# Altium PCB Evaluation Board.PcbDoc (part 22 of 22)
Units mm, origin at the board's own origin, x right, y up, seen from the top; angles counter-clockwise.
Board outline 200 x 200 mm, 4 copper layers (Top Layer, GND, Power, Bottom Layer), stack 1.56 mm thick; 639 components, 758 nets, 3043 pads, 1306 vias.
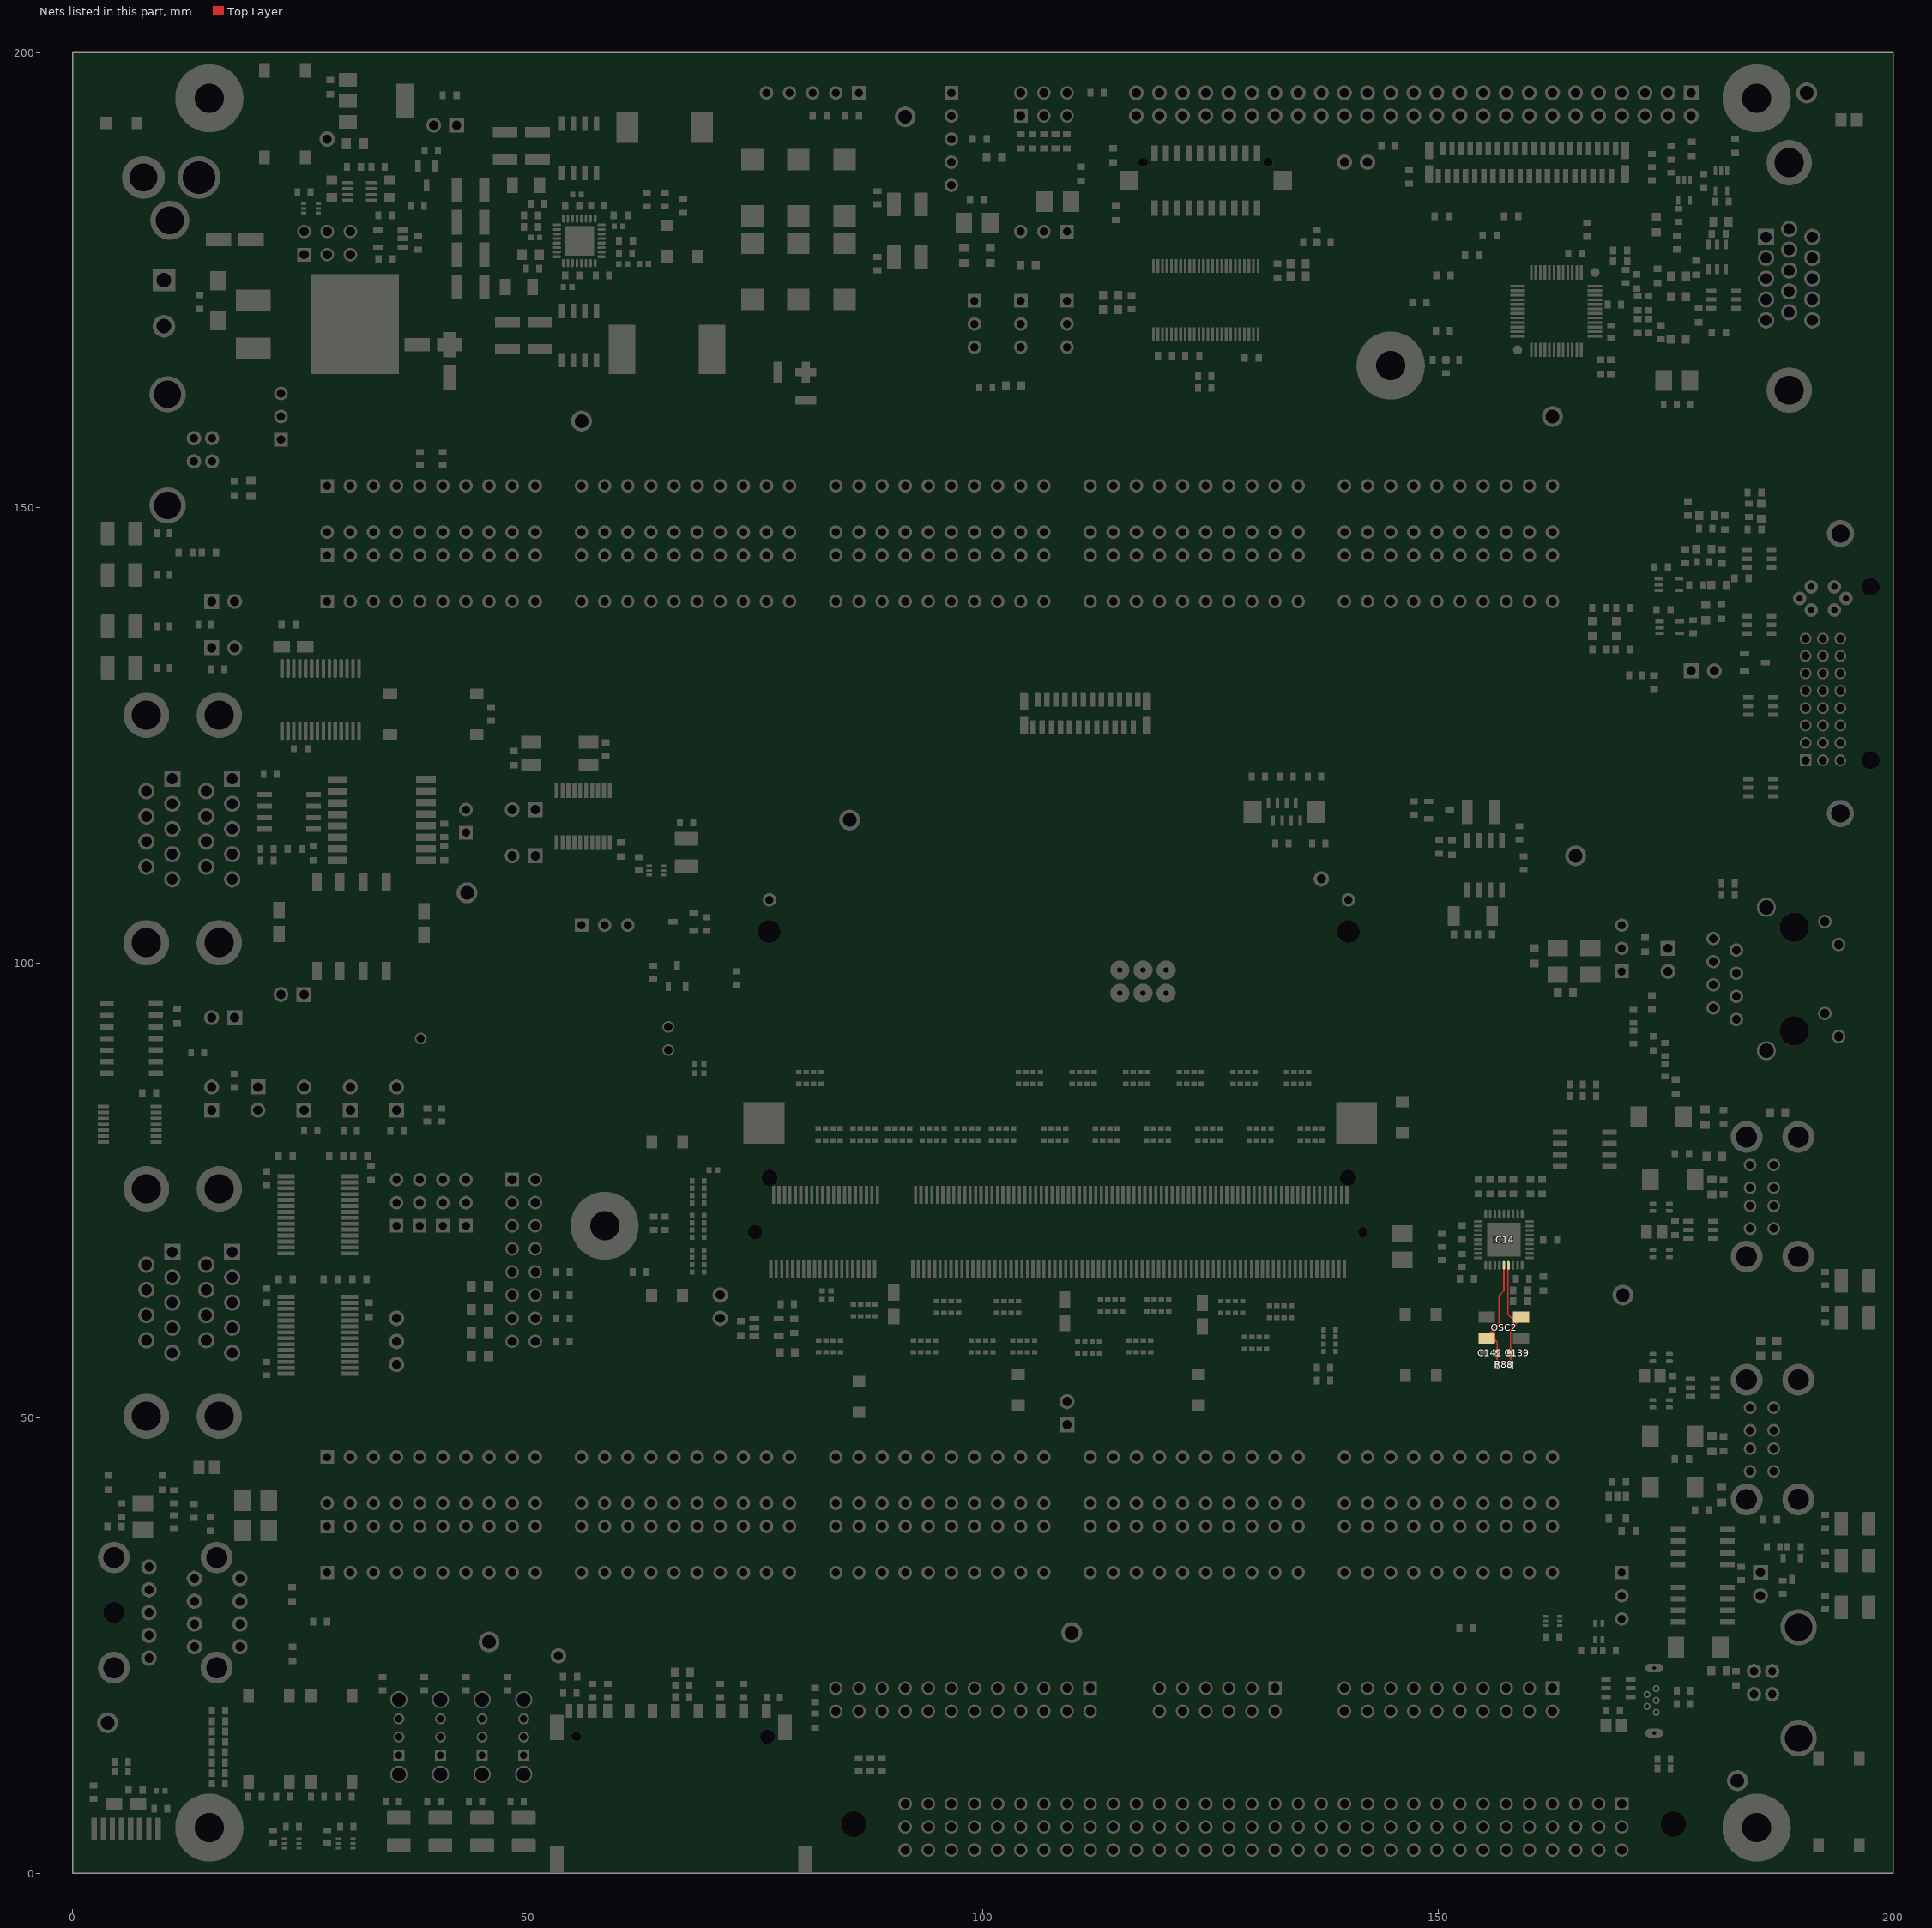
[diagram p24: the nets of this part, all layers, seen from the top]

## Via types
v1: diameter 0.6, hole 0.3, Top Layer to Bottom Layer, 1222 vias
v2: diameter 0.6, hole 0.3, Top Layer to Bottom Layer, tented both sides, 84 vias

## Nets (pads, with @x,y where several pads share a name; then routed paths per layer and width w, separated by ;. In a path a pad name is that pad's centre, name@x,y a point inside that pad or via, vN(x,y) a via of type N, cw(c..) or ccw(c..) an arc to the next point about the centre after c; other vN are vias at no path point) (continued)
XTAL1: C139.2 IC14.33 OSC2.2 R88.2 | length 21.4
  Top Layer w0.15: 157.655,66.09 cw(c158.082,66.09) IC14.33@157.78,66.392 ; C139.2@157.758,56.868 cw(c157.288,56.399) 157.952,56.399 cw(c158.616,56.399) C139.2@158.147,56.868 ; C139.2@157.758,57.407 ccw(c157.288,57.876) 157.952,57.876 ccw(c158.616,57.876) C139.2@158.147,57.407 ; R88.2@157.776,56.144 ccw(c157.349,56.571) 157.952,56.571 ccw(c158.556,56.571) R88.2@158.129,56.144 ; R88.2@157.952,55.868 C139.2@157.952,57.138 157.952,59.731 ; 158.146,59.924 ccw(c157.32,60.75) OSC2.2@158.461,61.001 ; OSC2.2@158.315,60.969 cw(c157.002,60.681) 157.952,59.731 ; OSC2.2@158.322,61.224 cw(c158.04,61.303) 158.04,61.01 ; 158.34,60.118 ccw(c157.638,60.82) OSC2.2@158.608,61.033 ; OSC2.2@158.373,60.818 ccw(c158.04,60.624) 158.04,61.01 ; 158.534,60.312 ccw(c157.956,60.89) OSC2.2@158.754,61.065 ; IC14.33@157.655,66.698 157.655,61.394 158.04,61.01 ; IC14.33@157.655,66.698 IC14.33@157.727,66.77 IC14.33@157.655,66.698 ; 157.952,59.731 159.127,60.906 OSC2.2@159.127,61.082 159.056,61.01 158.04,61.01
XTAL2: C142.2 IC14.32 OSC2.1 R88.1 | length 23.9
  Top Layer w0.15: OSC2.1@155.327,58.782 155.253,58.961 156.693,60.401 ; OSC2.1@155.553,58.773 cw(c156.459,58.877) 155.814,59.522 ; OSC2.1@155.581,58.782 156.052,58.782 156.502,58.331 ; OSC2.1@155.702,58.79 cw(c156.853,58.922) 156.034,59.742 ; OSC2.1@155.765,58.604 cw(c155.995,58.306) 156.261,58.572 ; OSC2.1@155.851,58.807 cw(c157.247,58.968) 156.253,59.962 ; OSC2.1@155.857,58.485 cw(c156.1,58.17) 156.382,58.451 ; OSC2.1@155.948,58.366 cw(c156.205,58.034) 156.502,58.331 ; OSC2.1@156,58.824 cw(c157.641,59.013) 156.473,60.181 ; OSC2.1@156.149,58.842 cw(c158.035,59.058) 156.693,60.401 ; OSC2.1@156.152,58.782 ccw(c156.395,58.782) OSC2.1@156.224,58.61 ; C142.2@156.308,56.868 cw(c155.838,56.399) 156.502,56.399 cw(c157.166,56.399) C142.2@156.697,56.868 ; C142.2@156.308,57.407 ccw(c155.838,57.876) 156.502,57.876 ccw(c157.166,57.876) C142.2@156.697,57.407 ; R88.1@156.326,56.144 ccw(c155.899,56.571) 156.502,56.571 ccw(c157.106,56.571) R88.1@156.679,56.144 ; R88.1@156.502,55.868 C142.2@156.502,57.138 156.502,58.331 ; IC14.32@157.174,66.392 cw(c157.046,66.264) 157.227,66.264 cw(c157.408,66.264) IC14.32@157.28,66.392 ; IC14.32@157.227,66.77 157.227,63.959 156.693,63.424 156.693,60.401
pads on no net: D1.5 D2.2 D3.5 D4.5 D5.5 D6.1 D8.2 D9.2 D11.2 D14.2 D15.1 D15.3 D15.5 D16.3 D16.5 IC1.1 IC2.1 IC3.49 IC3.50 IC4.43 IC6.4 IC9.1 IC9.8 IC10.20 IC10.21 IC11.20 IC11.21 IC12.2 IC12.6 IC12.8 IC12.9 IC12.10 IC12.12 IC12.13 IC12.14 IC12.24 IC12.27 IC12.28 IC13.5 IC13.6 IC17.6 IC17.11 IC17.14 IC18.3 IC18.4 IC18.5 IC18.6 IC18.7 IC18.11 IC18.12 IC18.15 IC19.5 IC20.5 IC20.10 IC20.12 IC20.14 IC24.4 IC25.1 IC26.1 MECH1. OSC2. OSC3. SW1. SW2. SW3. SW4. T3.3 T3.4 T3.5 T8.3 T8.4 T8.5 X1. X2.L2 X2.L3 X2.L6 X2.L7 X2.S1 X2.S2 X2.S3 X2.S4 X2.U1 X2.U4 X2.U5 X2.U8 X3. X5. X5.4 X5.5 X5.12 X5.13 X5.20 X5.21 X6. X6.13 X13.11 X13.17 X13.19 X15. X17. X17.7 X18. X23.5 X24.4 X24.11 X24.12 X24.15 X26. X34. X36.2

## Polygon pours and split planes (outlines as drawn)
VGA_AVCC on Top Layer "1" (solid, remove dead copper, pour order 178): 177.079,160.425 177.079,162.565 175.336,162.565 175.336,160.425
5V on Top Layer "1" (solid, remove dead copper, pour order 177): 179.15,159.075 179.15,162.065 176.975,162.065 176.975,159.075
3.3V on Top Layer "1" (solid, remove dead copper, pour order 176): 173.3,162.075 173.3,159.075 175.5,159.075 175.5,162.075
GND on Top Layer "1" (solid, remove dead copper, pour order 175): 179.866,162.25 179.866,165.6 176.791,165.6 176.791,162.25
GND_ISO on Top Layer "1" (solid, remove dead copper, pour order 174): 20.325,104.377 23.275,104.377 23.275,107.201 20.325,107.201
VGA_AVCC on Top Layer "1" (solid, remove dead copper, pour order 173): 171.549,162.25 176.625,162.25 176.625,178.675 171.549,178.675
3.3V on Top Layer "1" (solid, remove dead copper, pour order 172): 161.325,1.025 161.325,15.014 138.135,15.014 138.135,1.025
NetC66_1 on Top Layer "1" (solid, remove dead copper, pour order 171): 57.331,170.663 57.331,173.925 53.848,173.925 53.848,170.663
GND on Top Layer "1" (solid, remove dead copper, pour order 170): 71.399,176.047 87.528,176.047 87.528,185.09 71.399,185.09
3.3V on Top Layer "1" (solid, remove dead copper, pour order 169): 65.405,185.242 87.528,185.242 87.528,195.834 65.405,195.834
GND on Top Layer "1" (solid, remove dead copper, pour order 168): 17.729,176.276 23.65,176.276 23.65,182.625 17.729,182.625
PWR_IN on Top Layer "1" (solid, remove dead copper, pour order 167): 1.158,164.49 23.317,164.49 23.317,173.975 1.158,173.975
NetD6_2 on Top Layer "1" (solid, remove dead copper, pour order 166): 21.1,161.351 25.4,161.351 25.4,164.325 21.1,164.325
NetD6_2 on Top Layer "1" (solid, remove dead copper, pour order 165): 23.292,161.087 39.751,161.087 39.751,176.708 23.292,176.708
NetJP10_2 on Top Layer "1" (solid, remove dead copper, pour order 164): 43.307,159.309 43.307,166.04 39.446,166.04 39.446,159.309
NetJP10_2 on Top Layer "1" (solid, remove dead copper, pour order 163): 21.1,158.425 40.425,158.425 40.425,161.188 21.1,161.188
5V_PMIC on Top Layer "1" (solid, remove dead copper, pour order 162): 65.45,162.763 78.525,162.763 78.525,172.175 65.45,172.175
NetC66_1 on Top Layer "1" (solid, remove dead copper, pour order 161): 54.178,163.625 62.525,163.625 62.525,170.95 54.178,170.95
NetIC5_23 on Top Layer "1" (solid, remove dead copper, pour order 160): 59.919,170.561 59.919,173.914 56.693,173.914 56.693,170.561
NetIC5_23 on Top Layer "1" (solid, remove dead copper, pour order 159): 49.174,171.298 53.01,171.298 53.01,177.063 49.174,177.063
GND on Top Layer "1" (solid, remove dead copper, pour order 158): 45.669,168.986 53.006,168.986 53.006,171.298 45.669,171.298
GND on Top Layer "1" (solid, remove dead copper, pour order 157): 52.73,189.296 45.394,189.296 45.394,187.096 52.73,187.096
V_SUPPLY_FILT on Top Layer "1" (solid, remove dead copper, pour order 156): 43.303,162.575 55.55,162.575 55.55,168.986 43.303,168.986
GND on Top Layer "1" (solid, remove dead copper, pour order 155): 49.86,168.986 49.86,195.834 43.612,195.834 43.612,168.986
V_SUPPLY_FILT on Top Layer "1" (solid, remove dead copper, pour order 154): 43.612,166.04 43.612,195.834 39.751,195.834 39.751,166.04
V_SUPPLY_FILT on Top Layer "1" (solid, remove dead copper, pour order 153): 58.903,195.834 43.409,195.834 43.409,189.459 58.903,189.459
NetC78_1 on Top Layer "1" (solid, remove dead copper, pour order 152): 58.42,185.525 62.725,185.525 62.725,194.1 58.42,194.1
NetC78_1 on Top Layer "1" (solid, remove dead copper, pour order 151): 58.6,190.5 54.534,190.5 54.534,185.522 58.6,185.522
NetC78_1 on Top Layer "1" (solid, remove dead copper, pour order 150): 53.01,188.138 55.245,188.138 55.245,193.421 53.01,193.421
NetIC5_18 on Top Layer "1" (solid, remove dead copper, pour order 149): 49.987,183.921 54.534,183.921 54.534,188.438 49.987,188.438
3.3V_COLIBRI on Top Layer "1" (solid, remove dead copper, pour order 148): 106.103,54.975 109.946,54.975 109.946,59.375 106.103,59.375
3.3V_COLIBRI on Top Layer "1" (solid, remove dead copper, pour order 147): 110.225,53.025 110.225,56.025 102.55,56.025 102.55,53.025
3.3V_COLIBRI on Top Layer "1" (solid, remove dead copper, pour order 146): 111.283,65.45 106.279,65.45 106.279,61.472 111.283,61.472
3.3V_COLIBRI on Top Layer "1" (solid, remove dead copper, pour order 145): 109.6,61.7 106.25,61.7 106.25,59.1 109.6,59.1
3.3V_COLIBRI on Top Layer "1" (solid, remove dead copper, pour order 144): 91.875,52.825 91.875,58.15 85.1,58.15 85.1,52.825
3.3V_COLIBRI on Top Layer "1" (solid, remove dead copper, pour order 143): 91.875,59.875 88.138,59.875 88.138,57.713 91.875,57.713
3.3V_COLIBRI on Top Layer "1" (solid, remove dead copper, pour order 142): 92.858,60.987 89.35,60.987 89.35,59.225 92.858,59.225
3.3V_COLIBRI on Top Layer "1" (solid, remove dead copper, pour order 141): 92.653,60.987 92.653,64.495 90.945,64.495 90.945,60.987
3.3V_COLIBRI on Top Layer "1" (solid, remove dead copper, pour order 140): 92.653,65.346 88.375,65.346 88.375,62.275 92.653,62.275
3.3V on Top Layer "1" (solid, remove dead copper, pour order 139): 102.55,47.762 110.925,47.762 110.925,53.025 102.55,53.025
3.3V_COLIBRI on Top Layer "1" (solid, remove dead copper, pour order 138): 110.925,50.37 110.925,55.625 106.764,55.625 106.764,50.37
3.3V on Top Layer "1" (solid, remove dead copper, pour order 137): 87.55,49.45 87.55,51.7 82.85,51.7 82.85,49.45
3.3V_COLIBRI on Top Layer "1" (solid, remove dead copper, pour order 136): 68.7,62.075 68.7,64.925 65.45,64.925 65.45,62.075
3.3V on Top Layer "1" (solid, remove dead copper, pour order 135): 61.856,64.925 61.856,62.075 65.106,62.075 65.106,64.925
3.3V on Top Layer "1" (solid, remove dead copper, pour order 134): 61.878,81.75 61.878,78.9 65.128,78.9 65.128,81.75
3.3V_COLIBRI on Top Layer "1" (solid, remove dead copper, pour order 133): 68.722,78.9 68.722,81.75 65.472,81.75 65.472,78.9
3.3V_COLIBRI on Top Layer "1" (solid, remove dead copper, pour order 132): 144.625,79.636 147.475,79.636 147.475,82.886 144.625,82.886
3.3V on Top Layer "1" (solid, remove dead copper, pour order 131): 147.475,86.48 144.625,86.48 144.625,83.23 147.475,83.23
3.3V_COLIBRI on Top Layer "1" (solid, remove dead copper, pour order 130): 144.652,62.843 144.652,59.993 147.902,59.993 147.902,62.843
3.3V on Top Layer "1" (solid, remove dead copper, pour order 129): 151.225,63.347 148.375,63.347 148.375,60.097 151.225,60.097
3.3V on Top Layer "1" (solid, remove dead copper, pour order 128): 151.812,53.252 151.812,56.102 148.562,56.102 148.562,53.252
3.3V_COLIBRI on Top Layer "1" (solid, remove dead copper, pour order 127): 144.675,56.1 144.675,53.25 147.925,53.25 147.925,56.1
3.3V_COLIBRI on Top Layer "1" (solid, remove dead copper, pour order 126): 125.816,61.425 125.816,64.059 123.467,64.059 123.467,61.425
GND on Top Layer "1" (solid, remove dead copper, pour order 125): 125.816,58.825 125.816,61.584 123.467,61.584 123.467,58.825
3.3V on Top Layer "1" (solid, remove dead copper, pour order 124): 126.019,49.9 126.019,52.525 122.55,52.525 122.55,49.9
3.3V_COLIBRI on Top Layer "1" (solid, remove dead copper, pour order 123): 125.921,53.625 125.921,56.439 122.452,56.439 122.452,53.625
GND on Top Layer "1" (solid, remove dead copper, pour order 122): 144.313,65.378 147.787,65.378 147.787,68.75 144.313,68.75
3.3V_COLIBRI on Top Layer "1" (solid, remove dead copper, pour order 121): 147.787,72.29 144.313,72.29 144.313,68.918 147.787,68.918
GND_IN on Top Layer "1" (solid, remove dead copper, pour order 120): 9.575,172.075 17.725,172.075 17.725,189.975 9.575,189.975
GND_IN on Top Layer "1" (solid, remove dead copper, pour order 119): 17.697,177.75 17.697,189.975 4.4,189.975 4.4,177.75
NetR184_1 on Top Layer "1" (solid, remove dead copper, pour order 118): 12.2,172.15 12.2,178.85 1,178.85 1,172.15
NetR184_1 on Top Layer "1" (solid, remove dead copper, pour order 117): 1.158,174.125 5.35,174.125 5.35,193.85 1.158,193.85
GND_IN on Top Layer "1" (solid, remove dead copper, pour order 116): 8.825,193.85 5.35,193.85 5.35,187.275 8.825,187.275
5V on Top Layer "1" (solid, remove dead copper, pour order 115): 71.4,175.9 71.4,162.763 87.525,162.763 87.525,175.9
VGA_AVCC on Bottom Layer "1" (solid, remove dead copper, pour order 114): 178.4,178.675 171.549,178.675 171.549,162.25 178.4,162.25
SHIELD1 on Bottom Layer "1" (solid, remove dead copper, pour order 113): 18.825,19.462 18.825,22.774 1.158,22.774 1.158,19.462
SHIELD1 on Bottom Layer "1" (solid, remove dead copper, pour order 112): 1,20.449 7.816,20.449 7.816,36.895 1,36.895
SHIELD1 on Bottom Layer "1" (solid, remove dead copper, pour order 111): 2.375,37.788 2.375,34.475 18.82,34.475 18.82,37.788
SHIELD1 on Bottom Layer "1" (solid, remove dead copper, pour order 110): 2.8,79.244 2.8,71.219 19.825,71.219 19.825,79.244
SHIELD1 on Bottom Layer "1" (solid, remove dead copper, pour order 109): 2.8,54.25 2.8,43.5 19.825,43.5 19.825,54.25
SHIELD1 on Bottom Layer "1" (solid, remove dead copper, pour order 108): 1.158,148.85 1.158,33.275 6.575,33.275 6.575,148.85
SHIELD1 on Bottom Layer "1" (solid, remove dead copper, pour order 107): 1.158,165.7 1.158,147.3 18.858,147.3 18.858,165.7
SHIELD2 on Bottom Layer "1" (solid, remove dead copper, pour order 106): 198.55,11.825 198.55,17.48 186.775,17.48 186.775,11.825
SHIELD2 on Bottom Layer "1" (solid, remove dead copper, pour order 105): 198.55,24.03 198.55,29.68 186.775,29.68 186.775,24.03
SHIELD2 on Bottom Layer "1" (solid, remove dead copper, pour order 104): 199,11.825 199,115.4 192.225,115.4 192.225,11.825
SHIELD2 on Bottom Layer "1" (solid, remove dead copper, pour order 103): 195.325,78.5 195.325,84.35 181.025,84.35 181.025,78.5
SHIELD2 on Bottom Layer "1" (solid, remove dead copper, pour order 102): 194.325,64.45 194.325,70.1 181.025,70.1 181.025,64.45
SHIELD2 on Bottom Layer "1" (solid, remove dead copper, pour order 101): 195.425,37.78 195.425,43.43 181.025,43.43 181.025,37.78
SHIELD2 on Bottom Layer "1" (solid, remove dead copper, pour order 100): 195.05,51.83 195.05,57.68 181.025,57.68 181.025,51.83
SHIELD2 on Bottom Layer "1" (solid, remove dead copper, pour order 99): 183.195,108.478 183.195,101.654 198.425,101.654 198.425,108.478
SHIELD2 on Bottom Layer "1" (solid, remove dead copper, pour order 98): 198,87.976 198,94.8 183.195,94.8 183.195,87.976
SHIELD2 on Bottom Layer "1" (solid, remove dead copper, pour order 97): 200.025,159.35 200.025,166.2 184.544,166.2 184.544,159.35
PWR_IN on Bottom Layer "1" (solid, remove dead copper, pour order 96): 3.302,167.6 18.2,167.6 18.2,189.941 3.302,189.941
NetIC5_23 on Bottom Layer "1" (solid, remove dead copper, pour order 95): 59.944,170.028 59.944,174.447 53.619,174.447 53.619,170.028
NetIC5_23 on Bottom Layer "1" (solid, remove dead copper, pour order 94): 50.978,170.028 54,170.028 54,175.92 50.978,175.92
SHIELD2 on Bottom Layer "1" (solid, remove dead copper, pour order 93): 195.425,194.075 195.425,114.525 200,114.525 200,194.075
SHIELD2 on Bottom Layer "1" (solid, remove dead copper, pour order 92): 198.86,114.234 198.86,118.566 192.235,118.566 192.235,114.234
SHIELD2 on Bottom Layer "1" (solid, remove dead copper, pour order 91): 198.885,144.984 198.885,149.316 192.26,149.316 192.26,144.984
SHIELD2 on Bottom Layer "1" (solid, remove dead copper, pour order 90): 200.025,184.35 200.025,191.2 184.544,191.2 184.544,184.35
GND_ISO on GND (split plane): 30.473,92.027 12.952,92.027 12.952,122.023 30.473,122.023
AUDIO_AGND on GND (split plane): 26.573,20.677 0.51,20.677 0.51,42.523 26.573,42.523
GND on GND (split plane): 199.49,0.51 0.51,0.51 0.51,19.673 27.075,19.673 27.173,19.682 27.267,19.711 27.354,19.757 27.43,19.82 27.493,19.896 27.539,19.983 27.568,20.077 27.577,20.175 27.577,43.025 27.568,43.123 27.539,43.217 27.493,43.304 27.43,43.38 27.354,43.443 27.267,43.489 27.173,43.518 27.075,43.527 0.51,43.527 0.51,199.49 199.49,199.49
GND on Power (split plane): 199.49,115.677 108.133,115.677 101.477,122.333 101.477,130.117 108.958,137.598 185.075,137.598 185.173,137.607 185.267,137.636 185.354,137.682 185.43,137.745 188.658,140.973 199.49,140.973
3.3V_COLIBRI on Power (split plane): 147.748,52.377 126.083,52.377 119.005,59.455 118.929,59.518 118.842,59.564 118.748,59.593 118.65,59.602 68.483,59.602 66.002,62.083 66.002,79.942 68.808,82.748 147.748,82.748
3.3V on Power (split plane): 154 vertices, not listed, extent 19.802,13.902 199.49,192.448
NetR184_1 on Power (split plane): 14.355,173.178 12.85,173.178 12.771,173.17 12.714,173.153 12.696,173.147 12.627,173.11 12.566,173.06 12.104,172.599 8.089,172.599 7.627,173.06 7.566,173.11 7.497,173.147 7.422,173.17 7.343,173.178 3.872,173.178 3.872,184.998 14.355,184.998
5V on Power (split plane): 173 vertices, not listed, extent 0.51,0.51 199.49,199.49

## Other copper
Top Layer:
  region net NetC110_2: 19.139,150.616 19.139,152.14 20.307,152.14 20.307,150.616
  region net 5V_USB_D: 18.796,153.638 20.32,153.638 20.32,152.47 18.796,152.47
  region net NetD6_2: 21.1,164.325 23.875,167.1 24.025,166.1 23.975,163.925 22.375,163.875 21.1,164.05
  region net NetJP10_2: 37.135,160.884 40.03,163.779 40.03,160.884
  region net V_SUPPLY_FILT: 43.618,171.691 46.501,168.808 43.618,168.808
  region net V_SUPPLY_FILT: 45.834,189.967 42.951,187.084 42.951,189.967
  text "Colibri Evaluation Board" at 62.97,122.401 h2.5
  text "Rev. 3.2" at 70.808,120.138 h2.5
Bottom Layer:
  region net NetTP11_1: 120.75,95.85 120.975,96.1 121.9,97.975 121.85,98.05 121.425,98.475 120.65,98.075 119.6,97.6
  region net JTAG_TDI: 119.475,95.263 118.4,96.338 119.475,95.263 119.075,94.725 117.125,95.725 116.65,96.212 118.4,97.338
  region net JTAG_TDO: 116.3,94.875 116.05,96.975 115.032,96.677 114.225,96 115.525,94.7 115.55,94.7
  region net JTAG_TCK: 119.78,103.075 120.455,103.075 120.605,102.075 121.1,99.55 121.105,99.175 119.075,99.175 119.1,99.45
  region net JTAG_TMS: 114.7,103.075 115.375,103.075 115.525,102.075 116.05,99.45 116.025,99.175 114.025,99.05 114,99.35
Power (plane layer: these items are gaps in the copper):
  lines w0.8: 3.47,172.776 7.343,172.776 7.922,172.197 12.271,172.197 12.85,172.776 14.757,172.776 14.757,185.4 3.47,185.4 3.47,172.776
  lines w1: 68.225,59.1 118.65,59.1 125.875,51.875 148.25,51.875 148.25,83.25 68.6,83.25 65.5,80.15 65.5,61.875 68.275,59.1 ; 175.5,138.1 175.5,161.725 181.875,168.1 181.875,184.1 173.025,192.95 70.875,192.95 70.875,182.118 105.842,182.118 105.842,163.4 57.875,163.4 57.875,179.575 59.4,181.1 59.4,182.975 55.025,187.35 29.35,187.35 29.35,159.525 19.8,149.975 19.8,110.091 22.357,107.533 42,107.533 42,96.525 21.379,96.525 19.3,94.446 19.3,29.575 33.875,15 52.9,15 57.525,19.625 59.85,21.95 62.85,21.95 63.025,21.95 66.344,18.631 80.644,18.631 81.952,17.323 83.992,15.283 83.992,13.983 84.575,13.4 165.9,13.4 176.625,24.125 176.625,52.2 170.3,52.2 170.3,69.975 162.925,77.35 162.925,84.375 200,84.375 ; 200,115.175 107.925,115.175 100.975,122.125 100.975,130.325 108.75,138.1 185.075,138.1 188.45,141.475 200,141.475
GND (plane layer: these items are gaps in the copper):
  lines w1: 0,20.175 27.075,20.175 27.075,43.025 0,43.025 ; 12.45,91.525 12.45,122.525 30.975,122.525 30.975,91.525 12.45,91.525

## Silkscreen, mask and mechanical layers (free items; w line width, h text height)
Top Overlay:
  circle w1.2: c6.67,195.568 r0.601
  lines w0.254: 2.475,195.575 5.025,195.575 ; 6.65,195.575 9.2,195.575 ; 7.974,194.643 cw(c6.653,195.568) 7.974,196.494 ; 117.399,117.399 117.856,117.399 ; 119.029,117.399 119.487,117.399 ; 120.66,117.399 121.117,117.399 ; 120.929,127.229 121.387,127.229 ; 122.291,117.399 122.748,117.399 ; 122.56,127.229 123.017,127.229 ; 123.922,117.399 124.379,117.399 ; 124.191,127.229 124.648,127.229 ; 125.552,117.399 126.009,117.399 ; 125.821,127.229 126.279,127.229 ; 127.452,127.229 127.909,127.229 ; 129.083,127.229 129.54,127.229 ; 138.268,182.067 138.726,182.067 ; 139.899,182.067 140.356,182.067 ; 141.53,182.067 141.987,182.067 ; 143.16,182.067 143.618,182.067 ; 144.791,182.067 145.248,182.067 ; 146.422,182.067 146.879,182.067 ; 177.978,13.919 178.41,13.919 179.629,15.138 ; 179.629,15.57 179.629,15.138 ; 181.28,13.919 180.848,13.919 179.629,15.138 ; 116.561,116.992 126.848,116.992 126.848,117.196 116.561,117.196 116.561,116.992 ; 120.091,126.822 120.091,127.025 130.378,127.025 130.378,126.822 120.091,126.822 ; 137.43,181.661 147.717,181.661 147.717,181.864 137.43,181.864 137.43,181.661
  text "Vin" at 75.248,198.075 h0.76
  text "3.3V" at 80.025,197.948 h0.76
  text "5V" at 85.8,197.948 h0.76
  text "7-27V" at 4.3,197.75 h1
  text "Touch" at 103.938,197.625 h1
  text "Generic RGB Display" at 138.54,197.625 h1
  text "GND" at 82.85,197.225 h0.76
  text "GND" at 77.75,197.175 h0.76
  text "-" at 1.875,196.075 h1 r180
  text "1" at 179.757,195.11 h1
  text "+" at 9.875,195.075 h1
  text "2" at 179.59,192.57 h1
  text "Backlight" at 94.55,186.825 h1 r90
  text "On/Off" at 20.775,186.2 h1
  text "3.3V" at 89.95,185.25 h1
  text "Unified Interface Display" at 148.361,182.88 h1
  text "Contact Side" at 137.55,182.474 h0.9
  text "FFC" at 141.374,180.315 h0.9
  text "LVDS" at 122.627,180.035 h1
  text "2" at 22.762,179.95 h1
  text "V_DISPLAY" at 112.425,178.2 h1 r90
  text "5V" at 103.375,177.945 h0.75
  text "3.3V" at 107.975,177.945 h0.75
  text "1" at 23.095,177.41 h1
  text "GND" at 12.575,176.425 h1
  text "5V" at 90.775,174.65 h1
  text "Sel_3" at 97.225,174.5 h0.75
  text "Sel_2" at 102.48,174.5 h0.75
  text "Sel_1" at 107.735,174.5 h0.75
  text "3.3V" at 97.5,171.25 h0.75 r90
  text "3.3V" at 102.58,171.25 h0.75 r90
  text "3.3V" at 107.66,171.25 h0.75 r90
  text "VCC" at 12.575,168.225 h1
  text "5V" at 102.58,167.025 h0.75 r90
  text "7-27V" at 12.575,166.675 h1
  text "GND" at 97.5,166.525 h0.75 r90
  text "GND" at 107.66,166.525 h0.75 r90
  text "RS232" at 1.275,163.1 h1
  text "PWR SEL" at 24.6,159.6 h1
  text "VGA (RGB DAC)" at 186.528,158.295 h1
  text "3.3V" at 28.321,154.155 h0.75 r90
  text "3.3V" at 30.861,154.155 h0.75 r90
  text "GND" at 33.401,154.155 h0.75 r90
  text "GND" at 46.101,154.155 h0.75 r90
  text "LCD_BIAS" at 61.339,154.155 h0.75 r90
  text "LCD_D_0" at 63.88,154.155 h0.75 r90
  text "3.3V" at 66.42,154.155 h0.75 r90
  text "LCD_D_1" at 68.961,154.155 h0.75 r90
  text "LCD_D_2" at 71.501,154.155 h0.75 r90
  text "LCD_D_3" at 74.042,154.155 h0.75 r90
  text "LCD_D_4" at 76.582,154.155 h0.75 r90
  text "LCD_D_5" at 79.123,154.155 h0.75 r90
  text "LCD_D_6" at 84.203,154.155 h0.75 r90
  text "GND" at 86.743,154.155 h0.75 r90
  text "LCD_D_7" at 89.282,154.155 h0.75 r90
  text "LCD_D_8" at 91.822,154.155 h0.75 r90
  text "LCD_D_9" at 94.361,154.155 h0.75 r90
  text "LCD_D_10" at 96.901,154.155 h0.75 r90
  text "LCD_D_11" at 99.44,154.155 h0.75 r90
  text "LCD_D_12" at 101.98,154.155 h0.75 r90
  text "3.3V" at 104.519,154.155 h0.76 r90
  text "LCD_D_13" at 107.059,154.155 h0.75 r90
  text "LCD_D_14" at 112.139,154.155 h0.75 r90
  text "LCD_D_15" at 114.679,154.155 h0.75 r90
  text "LCD_D_16" at 117.22,154.155 h0.75 r90
  text "LCD_D_17" at 119.76,154.155 h0.75 r90
  text "LCD_D_18" at 122.301,154.155 h0.75 r90
  text "GND" at 124.841,154.155 h0.75 r90
  text "LCD_D_19" at 127.382,154.155 h0.75 r90
  text "LCD_D_20" at 129.922,154.155 h0.75 r90
  text "LCD_D_21" at 132.463,154.155 h0.75 r90
  text "LCD_D_22" at 135.003,154.155 h0.75 r90
  text "LCD_D_23" at 140.079,154.155 h0.75 r90
  text "LCD_PCLK_WR" at 142.619,154.155 h0.75 r90
  text "3.3V" at 145.159,154.155 h0.76 r90
  text "LCD_LCLK_A0" at 147.7,154.155 h0.75 r90
  text "LCD_FCLK_RD" at 150.24,154.155 h0.75 r90
  text "BL_ON" at 152.78,154.155 h0.75 r90
  text "I2C_SDA" at 155.32,154.155 h0.75 r90
  text "I2C_SCL" at 157.861,154.155 h0.75 r90
  text "GND" at 160.401,154.155 h0.75 r90
  text "GND" at 162.941,154.155 h0.76 r90
  text "1" at 28.43,149.7 h1 r90
  text "5" at 38.59,149.525 h1 r90
  text "11" at 56.37,149.275 h1 r90
  text "31" at 112.25,149.2 h1 r90
  text "41" at 140.19,149.2 h1 r90
  text "10" at 51.29,149.125 h1 r90
  text "15" at 66.53,149.125 h1 r90
  text "21" at 84.31,149.125 h1 r90
  text "35" at 122.41,149.05 h1 r90
  text "40" at 135.11,149.05 h1 r90
  text "45" at 150.35,149.05 h1 r90
  text "50" at 163.05,149.05 h1 r90
  text "20" at 79.23,149.025 h1 r90
  text "25" at 94.47,149.025 h1 r90
  text "30" at 107.17,149.025 h1 r90
  text "B" at 26.075,147.015 h1 r90
  text "RX" at 1.875,146.562 h0.75 r90
  text "USB_RS232" at 1.905,144.6 h0.75
  text "A" at 26.075,144.475 h1 r90
  text "1" at 28.43,142.08 h1 r90
  text "TX" at 1.875,141.99 h0.75 r90
  text "5" at 38.59,141.905 h1 r90
  text "11" at 56.37,141.655 h1 r90
  text "31" at 112.25,141.58 h1 r90
  text "41" at 140.19,141.58 h1 r90
  text "10" at 51.29,141.505 h1 r90
  text "15" at 66.53,141.505 h1 r90
  text "21" at 84.31,141.505 h1 r90
  text "20" at 79.23,141.405 h1 r90
  text "25" at 94.47,141.405 h1 r90
  text "30" at 107.17,141.405 h1 r90
  text "35" at 122.41,141.405 h1 r90
  text "40" at 135.11,141.405 h1 r90
  text "45" at 150.35,141.405 h1 r90
  text "50" at 163.05,141.38 h1 r90
  text "RX" at 1.875,136.351 h0.75 r90
  text "GND" at 33.401,135.752 h0.75 r90
  text "GND" at 46.101,135.752 h0.75 r90
  text "GND" at 86.741,135.752 h0.75 r90
  text "GND" at 124.841,135.752 h0.75 r90
  text "GND" at 160.401,135.752 h0.75 r90
  text "GND" at 162.941,135.752 h0.75 r90
  text "3.3V" at 28.317,135.117 h0.75 r90
  text "3.3V" at 30.857,135.117 h0.75 r90
  text "3.3V" at 66.417,135.117 h0.75 r90
  text "3.3V" at 104.517,135.117 h0.75 r90
  text "3.3V" at 145.157,135.117 h0.75 r90
  text "CAN" at 1.905,134.275 h0.75
  text "TX" at 1.875,131.779 h0.75 r90
  text "SODIMM_61" at 119.763,131.562 h0.75 r90
  text "SODIMM_71" at 152.783,131.562 h0.75 r90
  text "SODIMM_76" at 63.883,131.433 h0.75 r90
  text "SODIMM_45" at 35.943,131.308 h0.75 r90
  text "SODIMM_55" at 38.483,131.308 h0.75 r90
  text "SODIMM_63" at 41.023,131.308 h0.75 r90
  text "SODIMM_44" at 61.343,131.308 h0.75 r90
  text "SODIMM_70" at 68.963,131.308 h0.75 r90
  text "SODIMM_60" at 71.503,131.308 h0.75 r90
  text "SODIMM_58" at 74.043,131.308 h0.75 r90
  text "SODIMM_78" at 76.583,131.308 h0.75 r90
  text "SODIMM_72" at 79.123,131.308 h0.75 r90
  text "SODIMM_80" at 84.203,131.308 h0.75 r90
  text "SODIMM_46" at 89.283,131.308 h0.75 r90
  text "SODIMM_62" at 91.823,131.308 h0.75 r90
  text "SODIMM_48" at 94.363,131.308 h0.75 r90
  text "SODIMM_74" at 96.903,131.308 h0.75 r90
  text "SODIMM_50" at 99.443,131.308 h0.75 r90
  text "SODIMM_52" at 101.983,131.308 h0.75 r90
  text "SODIMM_54" at 106.934,131.308 h0.75 r90
  text "SODIMM_66" at 112.143,131.308 h0.75 r90
  text "SODIMM_64" at 114.683,131.308 h0.75 r90
  text "SODIMM_57" at 117.223,131.308 h0.75 r90
  text "SODIMM_56" at 142.494,131.308 h0.75 r90
  text "SODIMM_68" at 147.703,131.308 h0.75 r90
  text "SODIMM_82" at 150.243,131.308 h0.75 r90
  text "SODIMM_100" at 43.563,130.674 h0.75 r90
  text "SODIMM_102" at 48.643,130.674 h0.75 r90
  text "SODIMM_104" at 51.183,130.674 h0.75 r90
  text "SODIMM_136" at 122.303,130.674 h0.75 r90
  text "SODIMM_138" at 127.383,130.674 h0.75 r90
  text "SODIMM_140" at 129.794,130.674 h0.75 r90
  text "SODIMM_142" at 132.334,130.674 h0.75 r90
  text "SODIMM_144" at 134.874,130.674 h0.75 r90
  text "SODIMM_146" at 139.954,130.674 h0.75 r90
  text "SODIMM_194" at 155.323,130.674 h0.75 r90
  text "SODIMM_196" at 157.863,130.674 h0.75 r90
  text "VDD_FAULT#" at 56.263,130.42 h0.75 r90
  text "BATT_FAULT#" at 58.803,129.658 h0.75 r90
  text "HPD" at 177.876,129.184 h1
  text "Contact Side" at 119.653,127.889 h1
  text "FFC" at 123.902,125.222 h1
  text "Recovery Mode" at 33.3,122.825 h1
  text "HDMI/VGA" at 107.503,122.575 h1
  text "JTAG" at 131.35,121.25 h1
  text "RX" at 42.347,118.872 h1
  text "CAN RX" at 46.698,118.72 h1
  text "Contact Side" at 116.072,117.983 h1
  text "FFC" at 120.371,115.392 h1
  text "RESET OUT#" at 69.25,111.7 h1
  text "DVI-I (X6 FFC)" at 185.862,111.575 h1
  text "TX" at 42.347,111.252 h1
  text "CAN TX" at 46.698,109.017 h1
  text "ETH CT" at 170.68,105.994 h1 r90
  text "INT" at 55.28,105.918 h1
  text "EXT" at 58.894,105.918 h1
  text "RTC_SEL" at 47.498,103.632 h1
  text "3" at 171.882,103.64 h1
  text "TX_CT" at 175.677,103.581 h1 r90
  text "1" at 171.882,98.56 h1
  text "Bottom: RS-422/485" at 1.275,97.725 h1
  text "Top: CAN" at 1.275,96.35 h1
  text "CAN_PW" at 21.425,93.8 h1
  text "CAN_PGND" at 13.825,91.075 h1
  text "Ethernet" at 191.651,88.725 h1
  text "F_OFF_B#" at 30.975,88.15 h1 r90
  text "F_OFF_A#" at 36.05,88.15 h1 r90
  text "USB 3/4" at 192.151,82.22 h1
  text "FTDI" at 45.834,73.315 h1 r90
  text "RXD" at 36.06,66.802 h1 r90
  text "RTS" at 38.6,66.802 h1 r90
  text "TXD" at 41.14,66.802 h1 r90
  text "CTS" at 43.68,66.802 h1 r90
  text "USB 1/2" at 192.317,55.55 h1
  text "3.3V" at 28.321,47.65 h0.75 r90
  text "SODIMM_19" at 30.86,47.65 h0.75 r90
  text "SODIMM_21" at 33.4,47.65 h0.75 r90
  text "SODIMM_23" at 35.939,47.65 h0.75 r90
  text "SODIMM_25" at 38.478,47.65 h0.75 r90
  text "SODIMM_27" at 41.018,47.65 h0.75 r90
  text "SODIMM_29" at 43.557,47.65 h0.75 r90
  text "GND" at 46.096,47.65 h0.75 r90
  text "SODIMM_31" at 48.636,47.65 h0.75 r90
  text "SODIMM_33" at 51.175,47.65 h0.75 r90
  text "SODIMM_73" at 112.143,47.625 h0.75 r90
  text "SODIMM_86" at 114.683,47.625 h0.75 r90
  text "SODIMM_88" at 117.222,47.625 h0.75 r90
  text "SODIMM_90" at 119.762,47.625 h0.75 r90
  text "SODIMM_92" at 122.302,47.625 h0.75 r90
  text "GND" at 124.841,47.625 h0.75 r90
  text "SODIMM_105" at 127.381,47.625 h0.75 r90
  text "SODIMM_107" at 129.921,47.625 h0.75 r90
  text "SODIMM_106" at 132.46,47.625 h0.75 r90
  text "SODIMM_135" at 135,47.625 h0.75 r90
  text "SODIMM_133" at 140.074,47.625 h0.75 r90
  text "SODIMM_127" at 142.615,47.625 h0.75 r90
  text "3.3V" at 145.156,47.625 h0.75 r90
  text "GND" at 147.696,47.625 h0.75 r90
  text "3.3V" at 150.237,47.625 h0.75 r90
  text "GND" at 152.778,47.625 h0.75 r90
  text "SODIMM_129" at 155.319,47.625 h0.75 r90
  text "SODIMM_131" at 157.859,47.625 h0.75 r90
  text "SODIMM_137" at 160.4,47.625 h0.75 r90
  text "GND" at 162.941,47.625 h0.75 r90
  text "SODIMM_35" at 56.25,47.6 h0.75 r90
  text "SODIMM_37" at 58.789,47.6 h0.75 r90
  text "SODIMM_32" at 61.328,47.6 h0.75 r90
  text "SODIMM_34" at 63.867,47.6 h0.75 r90
  text "3.3V" at 66.406,47.6 h0.75 r90
  text "SODIMM_36" at 68.944,47.6 h0.75 r90
  text "SODIMM_38" at 71.483,47.6 h0.75 r90
  text "SODIMM_43" at 74.022,47.6 h0.75 r90
  text "SODIMM_47" at 76.561,47.6 h0.75 r90
  text "SODIMM_190" at 79.1,47.6 h0.75 r90
  text "SODIMM_192" at 84.2,47.6 h0.75 r90
  text "GND" at 86.74,47.6 h0.75 r90
  text "SODIMM_49" at 89.28,47.6 h0.75 r90
  text "SODIMM_51" at 91.82,47.6 h0.75 r90
  text "SODIMM_53" at 94.36,47.6 h0.75 r90
  text "SODIMM_59" at 96.799,47.6 h0.75 r90
  text "SODIMM_28" at 99.339,47.6 h0.75 r90
  text "SODIMM_30" at 101.979,47.6 h0.75 r90
  text "3.3V" at 104.519,47.6 h0.75 r90
  text "SODIMM_67" at 107.059,47.6 h0.75 r90
  text "RS-232" at 21,47.225 h1 r90
  text "Bottom: UART A" at 1.275,45.703 h1
  text "Top: UART B" at 1.275,44.328 h1
  text "1" at 28.43,43.02 h1 r90
  text "5" at 38.59,42.845 h1 r90
  text "11" at 56.37,42.595 h1 r90
  text "31" at 112.25,42.52 h1 r90
  text "41" at 140.19,42.52 h1 r90
  text "10" at 51.29,42.445 h1 r90
  text "15" at 66.53,42.445 h1 r90
  text "21" at 84.31,42.445 h1 r90
  text "35" at 122.41,42.37 h1 r90
  text "40" at 135.11,42.37 h1 r90
  text "45" at 150.35,42.37 h1 r90
  text "50" at 163.05,42.37 h1 r90
  text "20" at 79.23,42.345 h1 r90
  text "25" at 94.47,42.345 h1 r90
  text "30" at 107.17,42.345 h1 r90
  text "B" at 26.075,40.335 h1 r90
  text "A" at 26.075,37.795 h1 r90
  text "1" at 28.43,35.4 h1 r90
  text "5" at 38.59,35.225 h1 r90
  text "VREF_JTAG" at 165.825,35.225 h1
  text "11" at 56.37,34.975 h1 r90
  text "31" at 112.25,34.9 h1 r90
  text "41" at 140.19,34.9 h1 r90
  text "10" at 51.29,34.825 h1 r90
  text "15" at 66.53,34.825 h1 r90
  text "21" at 84.31,34.825 h1 r90
  text "20" at 79.23,34.725 h1 r90
  text "25" at 94.47,34.725 h1 r90
  text "30" at 107.17,34.725 h1 r90
  text "35" at 122.41,34.725 h1 r90
  text "40" at 135.11,34.725 h1 r90
  text "45" at 150.35,34.725 h1 r90
  text "50" at 163.05,34.7 h1 r90
  text "1.8V" at 172.95,31.375 h1 r90
  text "GND" at 46.111,29.047 h0.75 r90
  text "GND" at 86.716,29.047 h0.75 r90
  text "GND" at 124.844,29.047 h0.75 r90
  text "GND" at 147.697,29.047 h0.75 r90
  text "GND" at 152.778,29.047 h0.75 r90
  text "GND" at 162.941,29.047 h0.75 r90
  text "3.3V" at 28.372,28.412 h0.75 r90
  text "3.3V" at 66.408,28.412 h0.75 r90
  text "3.3V" at 104.51,28.412 h0.75 r90
  text "3.3V" at 145.156,28.412 h0.75 r90
  text "3.3V" at 150.238,28.412 h0.75 r90
  text "MM_CD" at 74.02,27.523 h0.75 r90
  text "PWM_A" at 96.884,27.523 h0.75 r90
  text "PWM_B" at 99.426,27.523 h0.75 r90
  text "PWM_C" at 101.968,27.523 h0.75 r90
  text "PWM_D" at 107.052,27.523 h0.75 r90
  text "MM_CLK" at 76.557,26.762 h0.75 r90
  text "MM_CMD" at 79.094,26.762 h0.75 r90
  text "SSP_FRM" at 114.689,26 h0.75 r90
  text "SSP_RXD" at 119.767,26 h0.75 r90
  text "SSP_TXD" at 122.306,26 h0.75 r90
  text "USB_PE#" at 155.319,26 h0.75 r90
  text "USB_OC#" at 157.86,26 h0.75 r90
  text "3.3V" at 172.95,25.7 h1 r90
  text "EXT_IO_1" at 140.075,25.619 h0.75 r90
  text "MM_DAT_1" at 89.258,25.492 h0.75 r90
  text "CAN_INT#" at 112.15,25.365 h0.75 r90
  text "EXT_IO_0" at 135,25.365 h0.75 r90
  text "EXT_IO_2" at 142.616,25.365 h0.75 r90
  text "MM_DAT_0" at 84.174,25.238 h0.75 r90
  text "MM_DAT_2" at 91.8,25.238 h0.75 r90
  text "MM_DAT_3" at 94.342,25.238 h0.75 r90
  text "SSP_SCLK" at 117.228,25.238 h0.75 r90
  text "UART_A_RI" at 58.796,24.73 h0.75 r90
  text "EXT_CS_1#" at 129.922,24.603 h0.75 r90
  text "EXT_CS_0#" at 127.383,24.476 h0.75 r90
  text "EXT_CS_2#" at 132.461,24.476 h0.75 r90
  text "USB_C_DET" at 160.4,24.476 h0.75 r90
  text "JTAG" at 149.303,24.365 h1
  text "UART_C_RXD" at 30.906,23.715 h0.75 r90
  text "UART_C_TXD" at 33.44,23.715 h0.75 r90
  text "UART_A_DTR" at 35.974,23.715 h0.75 r90
  text "UART_A_CTS" at 38.508,23.715 h0.75 r90
  text "UART_A_RTS" at 41.042,23.715 h0.75 r90
  text "UART_A_DSR" at 43.577,23.715 h0.75 r90
  text "UART_A_DCD" at 48.645,23.715 h0.75 r90
  text "UART_B_CTS" at 61.333,23.715 h0.75 r90
  text "UART_B_RTS" at 63.871,23.715 h0.75 r90
  text "UART_B_RXD" at 68.945,23.715 h0.75 r90
  text "UART_B_TXD" at 71.482,23.715 h0.75 r90
  text "Camera Interface" at 90.209,22.285 h1
  text "UART_A_D_RXD" at 51.175,22.215 h0.75 r90
  text "UART_A_D_TXD" at 56.259,22.215 h0.75 r90
  text "23" at 82.975,22.2 h1
  text "SW6" at 118.38,22.051 h0.75
  text "SW5" at 120.945,22.051 h0.75
  text "SW4" at 123.51,22.051 h0.75
  text "SW3" at 126.075,22.051 h0.75
  text "SW2" at 128.64,22.051 h0.75
  text "SW1" at 131.205,22.051 h0.75
  text "1" at 113.892,19.85 h1
  text "11" at 115.965,19.85 h1
  text "1" at 134.212,19.85 h1
  text "1" at 164.211,19.812 h1
  text "AUDIO" at 1.25,19.475 h1
  text "2" at 113.725,17.31 h1
  text "12" at 115.798,17.31 h1
  text "2" at 134.045,17.31 h1
  text "1" at 32.85,16.77 h1
  text "SHARED" at 176.796,15.926 h1
  text "24" at 82.975,14.925 h1
  text "GND" at 119.755,14.024 h0.75 r90
  text "LED1" at 132.455,13.524 h0.75 r90
  text "IRDA UART C" at 1.2,13.475 h1
  text "3.3V" at 122.295,13.4 h0.75 r90
  text "USB OTG" at 170.836,13.411 h1
  text "USB CL" at 181.712,13.411 h1
  text "LED4" at 124.835,13.275 h0.75 r90
  text "LED3" at 127.375,13.275 h0.75 r90
  text "LED2" at 129.915,13.275 h0.75 r90
  text "0" at 32.7,12.47 h1
  text "Extension" at 141.725,11.025 h1
  text "SD/MMC" at 81.6,4.275 h1 r90
  text "Reset" at 191.925,1.125 h1
Top Solder:
  text "Colibri Evaluation Board" at 62.97,122.401 h2.5
  text "Rev. 3.2" at 70.808,120.138 h2.5

## Text inside footprints (layer, text, board x,y; h text height)
TP7: Top Overlay "GND" at 169.325,65.175 h0.75
TP12: Top Overlay "GND" at 181.905,11.835 h0.75
TP13: Top Overlay "GND" at 2.835,18.185 h0.75
TP14: Top Overlay "GND" at 189.525,197.255 h0.75
TP15: Top Overlay "GND" at 44.745,27.075 h0.75
TP16: Top Overlay "GND" at 164.125,113.435 h0.75
TP17: Top Overlay "GND" at 161.585,161.695 h0.75
TP18: Top Overlay "GND" at 54.905,161.187 h0.75
TP19: Top Overlay "GND" at 42.291,105.156 h0.75
TP20: Top Overlay "GND" at 90.465,194.625 h0.75
TP21: Top Overlay "GND" at 108.753,28.091 h0.75
TP22: Top Overlay "GND" at 84.369,117.372 h0.75
X3: Top Overlay "C1" at 178.816,2.061 h1; Top Overlay "B1" at 178.816,4.576 h1; Top Overlay "A1" at 178.816,7.191 h1 r359.76
X28: Top Overlay "JTAG" at 115.9,101.25 h1